# Altium PCB ALCT_MEZ_LX150T.PcbDoc (part 5 of 8) (continued)
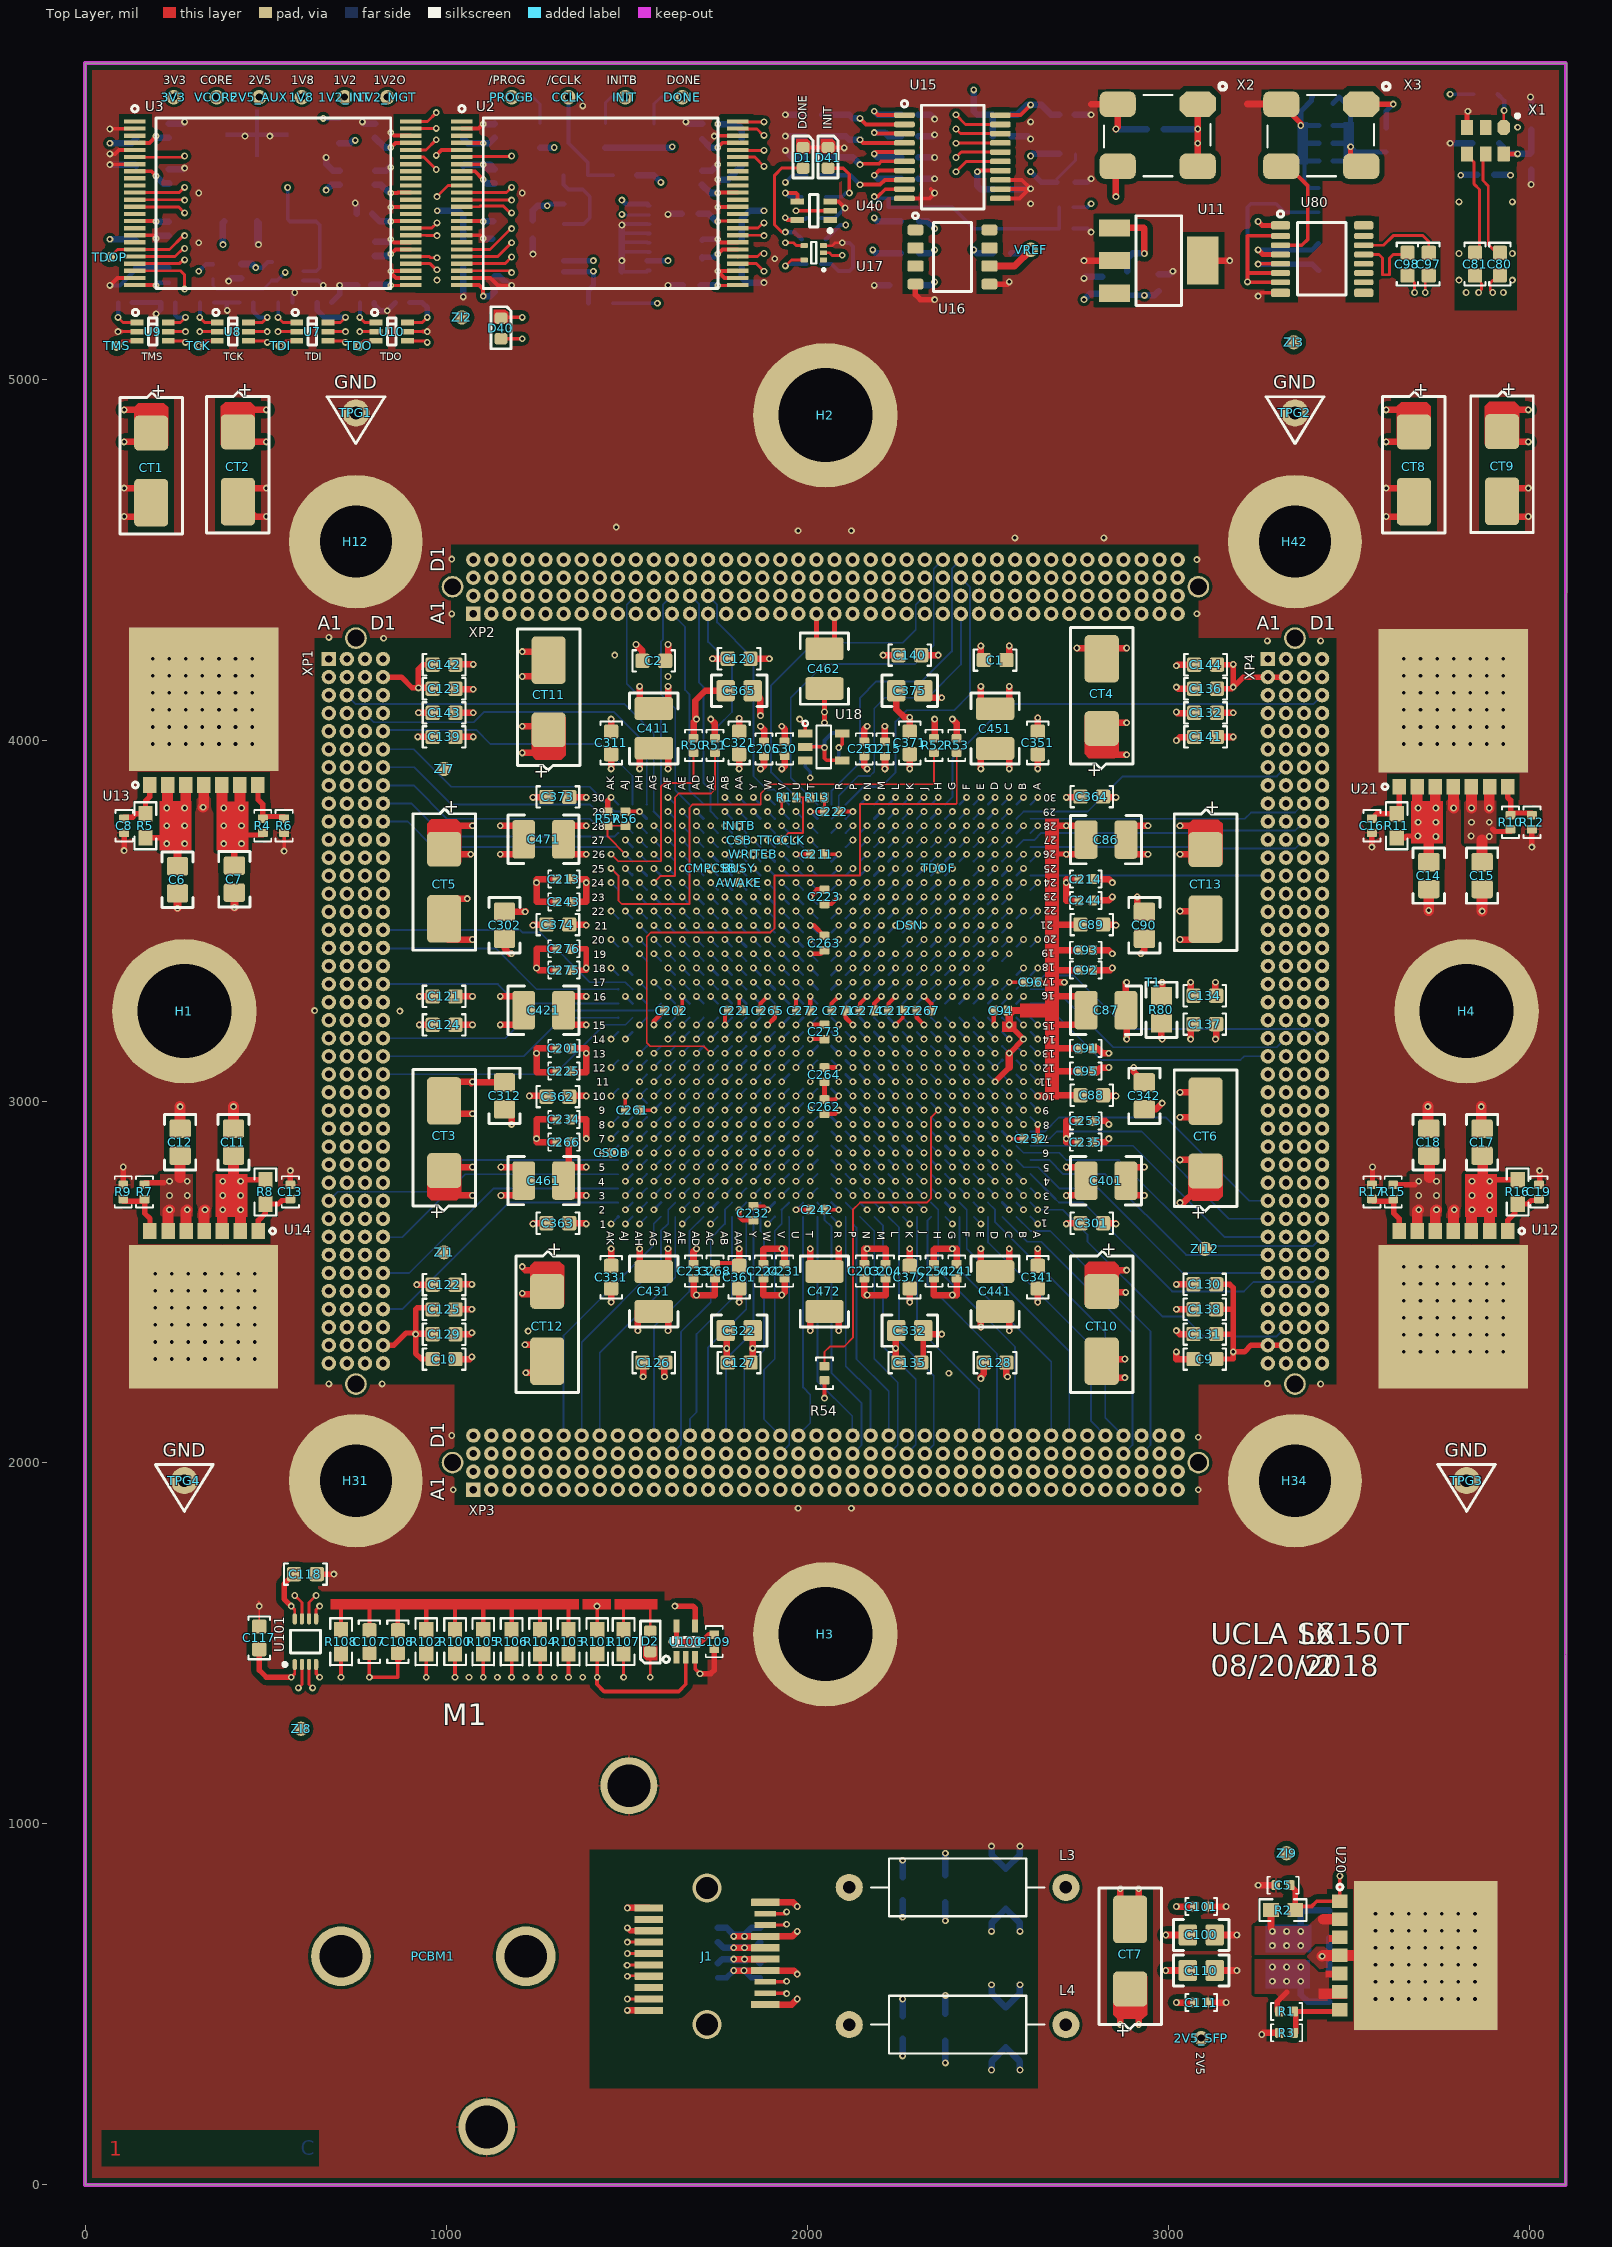
[diagram p0: Top Layer view]
## Nets (pads, with @x,y where several pads share a name; then routed paths per layer and width w, separated by ;. In a path a pad name is that pad's centre, name@x,y a point inside that pad or via, vN(x,y) a via of type N, cw(c..) or ccw(c..) an arc to the next point about the centre after c; other vN are vias at no path point) (continued)
  Bottom Layer w6: v1(1889.78,3526.97) U1.W22@1909.45,3507.29
XP1A_5: U1.Y22 XP1.A5 | length 1612
  Mid-Layer 5 w5: XP1.A5@675,4025.01 699.5,4049.51 1153.67,4049.51 1312.03,3891.15 1624.02,3891.15 1633.86,3881.3 1633.86,3715.94 1645.84,3703.96 1819.1,3703.96 1830.89,3692.18 1830.89,3546.48 v1(1850.39,3526.97)
  Bottom Layer w6: v1(1850.39,3526.97) U1.Y22@1870.08,3507.29
XP1A_6: U1.AG28 XP1.A6 | length 1036.5
  Mid-Layer 5 w5: XP1.A6@675,3973.82 XP1.A6@675.59,3974.41 ; XP1.A6@675,3975.01 699.5,3999.51 835.15,3999.51 845.77,3988.89 1135.04,3988.89 1341.04,3782.88 1555.13,3782.88 v1(1574.82,3763.19)
  Bottom Layer w6: v1(1574.82,3763.19) U1.AG28@1594.49,3743.51
XP1A_7: U1.AH27 XP1.A7 | length 993.2
  Mid-Layer 5 w5: XP1.A7@675,3923.82 XP1.A7@675.59,3924.41 ; XP1.A7@675,3925.01 700,3950.01 1104.51,3950.01 1311.01,3743.51 1515.75,3743.51 v1(1535.44,3723.82)
  Bottom Layer w6: v1(1535.44,3723.82) U1.AH27@1555.12,3704.14
XP1A_8: U1.AG26 XP1.A8 | length 1027.7
  Mid-Layer 5 w5: XP1.A8@675,3873.82 XP1.A8@675.59,3874.41 ; XP1.A8@675,3875.01 699.5,3899.51 1094,3899.51 1289.37,3704.14 1555.12,3704.14 v1(1574.81,3684.45)
  Bottom Layer w6: v1(1574.81,3684.45) U1.AG26@1594.49,3664.77
XP1A_9: U1.AA22 XP1.A9 | length 1371.1
  Mid-Layer 5 w5: XP1.A9@675,3823.82 XP1.A9@675.59,3824.41 ; XP1.A9@675,3825.01 700,3850.01 1090.37,3850.01 1275.79,3664.58 1476.37,3664.58 1779.74,3664.58 1791.52,3652.8 1791.52,3549.01 1811.03,3529.5 v1(1811.03,3526.97)
  Bottom Layer w6: v1(1811.03,3526.97) U1.AA22@1830.71,3507.29
XP1A_10: U1.W21 XP1.A10 | length 1438.6
  Mid-Layer 5 w5: XP1.A10@675,3773.82 XP1.A10@675.59,3774.41 ; XP1.A10@675,3775.01 700,3800.01 1077.85,3800.01 1252.6,3625.26 1722.44,3625.26 1722.5,3625.2 1740.37,3625.2 1752.16,3613.41 1752.16,3518.89 1763.95,3507.1 1870.28,3507.1 v1(1889.78,3487.6)
  Bottom Layer w6: v1(1889.78,3487.6) U1.W21@1909.45,3467.92
XP1A_11: U1.AC22 XP1.A11 | length 1167.2
  Mid-Layer 5 w5: XP1.A11@675,3725.01 700,3700.01 1024.79,3700.01 1177.96,3546.83 1709.9,3546.83 1729.76,3526.97 v1(1732.29,3526.97)
  Bottom Layer w6: v1(1732.29,3526.97) U1.AC22@1751.98,3507.28
XP1A_12: U1.AC21 XP1.A12 | length 1164.5
  Mid-Layer 5 w5: XP1.A12@675,3675.01 699.5,3650.51 952.71,3650.51 953.24,3651.04 1007.82,3651.04 1153.36,3505.51 1226.58,3505.51 1228.18,3507.1 1712.79,3507.1 v1(1732.29,3487.6)
  Bottom Layer w6: v1(1732.29,3487.6) U1.AC21@1751.98,3467.92
XP1A_13: U1.AB21 XP1.A13 | length 1200.1
  Mid-Layer 5 w5: XP1.A13@675,3625.01 700,3600.01 991.91,3600.01 1123.82,3468.09 1752.15,3468.09 v1(1771.66,3487.6) v1@1769.13,3487.6
  Bottom Layer w6: v1(1771.66,3487.6) U1.AB21@1791.34,3467.92
XP1A_14: U1.AC19 XP1.A14 | length 1154
  Mid-Layer 5 w5: XP1.A14@675,3575.01 700,3550.01 998.64,3550.01 1119.96,3428.69 1712.46,3428.69 v1(1732.3,3408.84)
  Bottom Layer w6: v1(1732.3,3408.84) U1.AC19@1751.98,3389.17
XP1A_15: U1.AB19 XP1.A15 | length 1188.8
  Mid-Layer 5 w5: XP1.A15@675,3525.01 700,3500.01 993.49,3500.01 1104.16,3389.34 1752.16,3389.34 v1(1771.67,3408.84)
  Bottom Layer w6: v1(1771.67,3408.84) U1.AB19@1791.34,3389.18
XP1A_16: U1.AB18 XP1.A16 | length 1184.4
  Mid-Layer 5 w5: XP1.A16@675,3475.01 700,3450.01 982.48,3450.01 1082.51,3349.98 1752.15,3349.98 v1(1771.66,3369.48)
  Bottom Layer w6: v1(1771.66,3369.48) U1.AB18@1791.34,3349.81
XP1A_17: U1.Y12 XP1.A17 | length 1481.2
  Mid-Layer 4 w5: XP1.A17@675,3425.01 700,3450.01 875.98,3450.01 1054.92,3271.07 1850.39,3271.07 1870.08,3251.38 1870.08,3182.67 1869.89,3182.49 1869.89,3113.4 v1(1850.39,3093.9)
  Bottom Layer w6: v1(1850.39,3093.9) U1.Y12@1870.08,3113.59
XP1A_18: U1.AA17 XP1.A18 | length 1198.8
  Mid-Layer 5 w5: XP1.A18@675,3375.01 700,3350.01 1023.42,3350.01 1062.99,3310.44 1791.35,3310.44 v1(1811.03,3330.12)
  Bottom Layer w6: v1(1811.03,3330.12) U1.AA17@1830.71,3310.44
XP1A_19: U1.Y17 XP1.A19 | length 1283.6
  Mid-Layer 7 w5: XP1.A19@675,3325.01 700,3300.01 875.98,3300.01 924.61,3251.38 1801.18,3251.38 1830.89,3281.1 1830.89,3310.62 v1(1850.39,3330.12)
  Bottom Layer w6: v1(1850.39,3330.12) U1.Y17@1870.08,3310.44
XP1A_22: U1.W14 XP1.A22 | length 1392.1
  Mid-Layer 5 w5: XP1.A22@675,3173.82 XP1.A22@675.59,3174.41 ; XP1.A22@675,3175.01 700,3200.01 885.61,3200.01 956.67,3271.07 1879.92,3271.07 1909.28,3241.71 1909.28,3192.56 1889.78,3173.06 v1(1889.78,3172.63)
  Bottom Layer w6: v1(1889.78,3172.63) U1.W14@1909.46,3192.32
XP1A_23: U1.Y15 XP1.A23 | length 1266.6
  Mid-Layer 5 w5: XP1.A23@675,3123.82 676.19,3125.01 XP1.A23@675,3125.01 700,3150.01 929.63,3150.01 1021.16,3241.54 1820.85,3241.54 v1(1850.39,3212)
  Bottom Layer w6: v1(1850.39,3212) U1.Y15@1870.08,3231.7
XP1A_24: U1.AC14 XP1.A24 | length 1142.6
  Mid-Layer 5 w5: XP1.A24@675,3073.82 XP1.A24@675.59,3074.41 ; XP1.A24@675,3075.01 700,3100.01 941.14,3100.01 1033.28,3192.14 1712.78,3192.14 v1(1732.29,3172.63)
  Bottom Layer w6: v1(1732.29,3172.63) U1.AC14@1751.98,3192.32
XP1A_25: U1.AB14 XP1.A25 | length 1186.5
  Mid-Layer 5 w5: XP1.A25@675,3023.82 XP1.A25@675.59,3024.41 ; XP1.A25@675,3025.01 700,3050.01 967.42,3050.01 1070.2,3152.78 1751.81,3152.78 v1(1771.66,3172.63)
  Bottom Layer w6: v1(1771.66,3172.63) U1.AB14@1791.34,3192.32
XP1A_26: U1.AC12 XP1.A26 | length 1151.4
  Mid-Layer 5 w5: XP1.A26@675,2973.82 XP1.A26@675.59,2974.41 ; XP1.A26@675,2975.01 700,3000.01 990.73,3000.01 1104.13,3113.41 1712.79,3113.41 v1(1732.29,3093.9)
  Bottom Layer w6: v1(1732.29,3093.9) U1.AC12@1751.98,3113.58
XP1A_27: U1.AB12 XP1.A27 | length 1195.4
  Mid-Layer 5 w5: XP1.A27@675,2923.82 XP1.A27@675.59,2924.41 ; XP1.A27@675,2925.01 700,2950.01 1029.31,2950.01 1153.47,3074.16 1740.42,3074.16 1740.55,3074.04 1751.8,3074.04 v1(1771.66,3093.9)
  Bottom Layer w6: v1(1771.66,3093.9) U1.AB12@1791.34,3113.59
XP1A_28: U1.AC11 XP1.A28 | length 1162.4
  Mid-Layer 5 w5: XP1.A28@675,2873.82 676.19,2875.01 XP1.A28@675,2875.01 700,2900.01 1065.95,2900.01 1200.79,3034.85 1712.61,3034.85 v1(1732.29,3054.53)
  Bottom Layer w6: v1(1732.29,3054.53) U1.AC11@1751.98,3074.22
XP1A_29: U1.AD10 XP1.A29 | length 1127.4
  Mid-Layer 5 w5: XP1.A29@675,2823.82 676.18,2825.01 XP1.A29@675,2825.01 700,2850.01 1067.11,2850.01 1212.4,2995.3 1673.08,2995.3 v1(1692.93,3015.15)
  Bottom Layer w6: v1(1692.93,3015.15) U1.AD10@1712.6,3034.85
XP1A_30: U1.AD8 XP1.A30 | length 1132.9
  Mid-Layer 5 w5: XP1.A30@675,2775.01 699.5,2750.51 856.81,2750.51 865.37,2759.07 1141.55,2759.07 1299.04,2916.56 1673.07,2916.56 v1(1692.93,2936.42)
  Bottom Layer w6: v1(1692.93,2936.42) U1.AD8@1712.6,2956.11
XP1A_31: U1.AK5 XP1.A31 | length 851
  Bottom Layer w5: XP1.A31@675,2723.82 676.18,2725.01 XP1.A31@675,2725.01 700,2750.01 955.31,2750.01 1043.31,2838 U1.AK5@1476.38,2838
XP1A_32: U1.AG7 XP1.A32 | length 1039.8
  Mid-Layer 5 w5: XP1.A32@675,2673.82 698.82,2650.01 1089.59,2650.01 1316.95,2877.37 1555.13,2877.37 v1(1574.81,2897.05)
  Bottom Layer w6: v1(1574.81,2897.05) U1.AG7@1594.49,2916.74
XP1A_33: U1.AF9 XP1.A33 | length 1133
  Mid-Layer 4 w5: XP1.A33@675,2625.01 700,2600.01 1054.04,2600.01 1410.14,2956.11 1594.5,2956.11 v1(1614.18,2975.78)
  Bottom Layer w6: v1(1614.18,2975.78) U1.AF9@1633.86,2995.48
XP1A_34: U1.AD7 XP1.A34 | length 1189.2
  Mid-Layer 5 w5: XP1.A34@675,2573.82 XP1.A34@675.59,2574.41 ; XP1.A34@675,2575.01 700,2600.01 1093.21,2600.01 1331.39,2838.18 1622.25,2838.18 1634.06,2849.99 1634.06,2865.76 1645.48,2877.18 1673.06,2877.18 v1(1692.93,2897.05)
  Bottom Layer w6: v1(1692.93,2897.05) U1.AD7@1712.6,2916.74
XP1A_35: U1.AF6 XP1.A35 | length 1125.5
  Mid-Layer 4 w5: XP1.A35@675,2525.01 700,2500.01 866.73,2500.01 885.83,2519.1 1127.95,2519.1 1446.85,2838 1594.49,2838 v1(1614.18,2857.68)
  Bottom Layer w6: v1(1614.18,2857.68) U1.AF6@1633.86,2877.37
XP1A_36: U1.AC9 XP1.A36 | length 1367
  Mid-Layer 5 w5: XP1.A36@675,2473.82 676.19,2475.01 XP1.A36@675,2475.01 700,2500.01 852.95,2500.01 865.96,2513.01 1064.76,2513.01 1350.38,2798.63 1661.46,2798.63 1673.06,2810.22 1673.06,2826.04 1684.84,2837.81 1700.63,2837.81 1712.43,2849.61 1712.43,2955.92 v1(1732.29,2975.78)
  Bottom Layer w6: v1(1732.29,2975.78) U1.AC9@1751.98,2995.47
XP1A_37: U1.AG4 XP1.A37 | length 1075.4
  Mid-Layer 4 w5: XP1.A37@675,2423.82 XP1.A37@675,2425.01 700,2450.01 1149.39,2450.01 1458.64,2759.26 1555.13,2759.26 v1(1574.81,2778.93)
  Bottom Layer w6: v1(1574.81,2778.93) U1.AG4@1594.49,2798.62
XP1A_38: U1.AD3 XP1.A38 | length 1196.8
  Mid-Layer 5 w5: XP1.A38@675,2375.01 699.5,2399.51 1098.89,2399.51 1419.27,2719.89 1673.23,2719.89 v1(1692.91,2739.57)
  Bottom Layer w6: v1(1692.91,2739.57) U1.AD3@1712.6,2759.26
XP1B_3: U1.AG29 XP1.B3 | length 1138.1
  Bottom Layer w5: XP1.B3@725,4125.01 750,4100.01 1493.9,4100.01 1574.8,4019.1 1574.8,3802.56
  Bottom Layer w6: 1574.8,3802.56 U1.AG29@1594.49,3782.88
XP1B_4: U1.U25 XP1.B4 | length 1622.4
  Mid-Layer 2 w5: XP1.B4@725,4075.01 750.5,4049.51 1155.43,4049.51 1215.55,3989.39 1919.48,3989.39 1948.66,3960.2 1948.66,3664.92 v1(1968.51,3645.07)
  Bottom Layer w6: v1(1968.51,3645.07) U1.U25@1988.19,3625.4
XP1B_5: U1.AH26 XP1.B5 | length 1000.5
  Mid-Layer 1 w5: XP1.B5@725,4023.82 751.19,4050.01 1073.41,4050.01 1419.27,3704.14 1515.75,3704.14 v1(1535.44,3684.45)
  Bottom Layer w6: v1(1535.44,3684.45) U1.AH26@1555.12,3664.77
XP1B_6: U1.V26 XP1.B6 | length 1495.2
  Mid-Layer 2 w5: XP1.B6@725,3973.82 XP1.B6@725.59,3974.41 ; XP1.B6@725,3975.01 750,4000.01 864.91,4000.01 865.23,4000.32 925.38,3940.17 1880.11,3940.17 1909.29,3910.99 1909.29,3704.3 v1(1929.14,3684.45)
  Bottom Layer w6: v1(1929.14,3684.45) U1.V26@1948.82,3664.77
XP1B_7: U1.W25 XP1.B7 | length 1457
  Mid-Layer 2 w5: XP1.B7@725,3925.01 750,3950.01 874.98,3950.01 924,3900.99 1850.39,3900.99 1869.91,3881.47 1869.91,3664.94 v1(1889.78,3645.07)
  Mid-Layer 2 w5.88: XP1.B7@725,3923.82 XP1.B7@725.59,3924.41
  Bottom Layer w6: v1(1889.78,3645.07) U1.W25@1909.45,3625.4
XP1B_8: U1.Y25 XP1.B8 | length 1379.6
  Mid-Layer 2 w5: XP1.B8@725,3873.82 XP1.B8@725.59,3874.41 ; XP1.B8@725,3875.01 750,3900.01 873.3,3900.01 911.69,3861.62 1820.87,3861.62 1830.54,3851.94 1830.54,3664.92 v1(1850.39,3645.07)
  Bottom Layer w6: v1(1850.39,3645.07) U1.Y25@1870.08,3625.4
XP1B_9: U1.W20 XP1.B9 | length 1514.9
  Mid-Layer 2 w5: XP1.B9@725,3825.01 749.5,3800.51 1485.82,3800.51 1503.63,3782.69 1781.86,3782.69 1791.52,3773.04 1791.52,3595.69 1801.01,3586.2 1858.1,3586.2 1869.89,3574.41 1869.89,3468.08 v1(1889.78,3448.19)
  Bottom Layer w6: v1(1889.78,3448.19) U1.W20@1909.46,3428.52
XP1B_10: U1.AA21 XP1.B10 | length 1240.9
  Mid-Layer 7 w5: XP1.B10@725,3775.01 750,3750.01 948.23,3750.01 1200.79,3497.45 1222.42,3497.45 1232.08,3507.1 1791.52,3507.1 v1(1811.03,3487.6)
  Bottom Layer w6: v1(1811.03,3487.6) U1.AA21@1830.71,3467.92
XP1B_11: U1.AB23 XP1.B11 | length 1247.1
  Mid-Layer 2 w5: XP1.B11@725,3723.82 XP1.B11@725.59,3724.41 ; XP1.B11@725,3725.01 750,3750.01 892.13,3750.01 898.62,3743.51 1740.18,3743.51 1752.15,3731.54 1752.15,3585.84 v1(1771.66,3566.33)
  Bottom Layer w6: v1(1771.66,3566.33) U1.AB23@1791.34,3546.66
XP1B_12: U1.AC24 XP1.B12 | length 1127.9
  Mid-Layer 2 w5: XP1.B12@725,3673.82 XP1.B12@725.59,3674.41 ; XP1.B12@725,3675.01 750,3700.01 895.67,3700.01 899.62,3703.95 1701,3703.95 1712.43,3692.53 1712.43,3625.57 v1(1732.29,3605.7)
  Bottom Layer w6: v1(1732.29,3605.7) U1.AC24@1751.98,3586.02
XP1B_13: U1.Y21 XP1.B13 | length 1226.5
  Mid-Layer 7 w5: XP1.B13@725,3625.01 750,3600.01 989.96,3600.01 1122.05,3467.92 1830.71,3467.92 v1(1850.39,3487.6)
  Bottom Layer w6: v1(1850.39,3487.6) U1.Y21@1870.08,3467.92
XP1B_14: U1.AD24 XP1.B14 | length 1077.3
  Mid-Layer 2 w5: XP1.B14@725,3573.82 XP1.B14@725.59,3574.41 ; XP1.B14@725,3575.01 750,3600.01 912.11,3600.01 977.05,3664.95 1665.66,3664.95 1673.23,3657.39 1673.23,3635.41 1673.06,3635.24 1673.06,3625.57 v1(1692.93,3605.7)
  Bottom Layer w6: v1(1692.93,3605.7) U1.AD24@1712.61,3586.02
XP1B_15: U1.AE24 XP1.B15 | length 1006.8
  Mid-Layer 2 w5: XP1.B15@725,3523.82 XP1.B15@725.59,3524.41 ; XP1.B15@725,3525.01 750,3550.01 916.24,3550.01 991.46,3625.22 1631.51,3625.22 1651.03,3605.7 v1(1653.56,3605.7)
  Bottom Layer w6: v1(1653.56,3605.7) U1.AE24@1673.24,3586.02
XP1B_16: U1.AC23 XP1.B16 | length 1090
  Mid-Layer 2 w5: XP1.B16@725,3473.82 XP1.B16@725.59,3474.41 ; XP1.B16@725,3475.01 750,3500.01 930.22,3500.01 1016.05,3585.84 1712.79,3585.84 v1(1732.29,3566.33)
  Bottom Layer w6: v1(1732.29,3566.33) U1.AC23@1751.98,3546.65
XP1B_17: U1.AD22 XP1.B17 | length 1074.5
  Mid-Layer 2 w5: XP1.B17@725,3425.01 749.5,3400.51 889.77,3400.51 1031.19,3541.92 1066.15,3541.92 1070.7,3546.47 1673.42,3546.47 v1(1692.93,3526.97)
  Bottom Layer w6: v1(1692.93,3526.97) U1.AD22@1712.6,3507.29
XP1B_18: U1.Y20 XP1.B18 | length 1268.8
  Mid-Layer 2 w5: XP1.B18@725,3375.01 749.5,3350.51 893.91,3350.51 1048.91,3505.51 1226.58,3505.51 1228.18,3507.1 1819.1,3507.1 1830.53,3495.68 1830.53,3468.07 v1(1850.4,3448.19)
  Bottom Layer w6: v1(1850.4,3448.19) U1.Y20@1870.08,3428.52
XP1B_19: U1.AD20 XP1.B19 | length 1083.3
  Mid-Layer 2 w5: XP1.B19@725,3325.01 749.5,3300.51 897.53,3300.51 1064.77,3467.74 1673.39,3467.74 v1(1692.93,3448.19)
  Bottom Layer w6: v1(1692.93,3448.19) U1.AD20@1712.61,3428.52
XP1B_22: U1.W19 XP1.B22 | length 1305.6
  Mid-Layer 2 w5: XP1.B22@725,3175.01 750,3200.01 885.61,3200.01 1113.97,3428.36 1870.26,3428.36 v1(1889.78,3408.84)
  Bottom Layer w6: v1(1889.78,3408.84) U1.W19@1909.45,3389.18
XP1B_23: U1.AD19 XP1.B23 | length 1134
  Mid-Layer 2 w5: XP1.B23@725,3125.01 750,3100.01 854.51,3100.01 1143.51,3389 1673.09,3389 v1(1692.93,3408.84)
  Bottom Layer w6: v1(1692.93,3408.84) U1.AD19@1712.6,3389.18
XP1B_24: U1.AD18 XP1.B24 | length 1138.5
  Mid-Layer 2 w5: XP1.B24@725,3075.01 750,3050.01 881.3,3050.01 1130.11,3298.81 1180.9,3349.63 1673.07,3349.63 v1(1692.93,3369.48)
  Bottom Layer w6: v1(1692.93,3369.48) U1.AD18@1712.6,3349.81
XP1B_25: U1.AB17 XP1.B25 | length 1221.6
  Mid-Layer 2 w5: XP1.B25@725,3025.01 750,3000.01 905.12,3000.01 1215.37,3310.26 1751.8,3310.26 v1(1771.66,3330.12)
  Bottom Layer w6: v1(1771.66,3330.12) U1.AB17@1791.34,3310.44
XP1B_26: U1.AF13 XP1.B26 | length 982.6
  Mid-Layer 4 w5: XP1.B26@725,2975.01 750,3000.01 939.57,3000.01 1053.15,3113.59 1594.5,3113.59 v1(1614.18,3133.27)
  Bottom Layer w6: v1(1614.18,3133.27) U1.AF13@1633.86,3152.96
XP1B_27: U1.Y16 XP1.B27 | length 1325
  Mid-Layer 2 w5: XP1.B27@725,2925.01 749.5,2900.51 876.98,2900.51 1247.54,3271.07 1830.71,3271.07 v1(1850.39,3290.75)
  Bottom Layer w6: v1(1850.39,3290.75) U1.Y16@1870.08,3271.07
XP1B_28: U1.AA15 XP1.B28 | length 1394.7
  Mid-Layer 2 w5: XP1.B28@725,2875.01 750,2850.01 1025.79,2850.01 1092.33,2916.55 1092.33,3066.65 1277.06,3251.37 1771.65,3251.37 v1(1811.03,3212)
  Bottom Layer w6: v1(1811.03,3212) U1.AA15@1830.71,3231.7
XP1B_29: U1.AC15 XP1.B29 | length 1319.6
  Mid-Layer 2 w5: XP1.B29@725,2825.01 725,2823.83 748.82,2800.01 1026.95,2800.01 1126.97,2900.02 1126.97,3047.66 1310.94,3231.63 1712.66,3231.63 v1(1732.29,3212)
  Bottom Layer w6: v1(1732.29,3212) U1.AC15@1751.98,3231.68
XP1B_30: U1.AD15 XP1.B30 | length 1292.7
  Mid-Layer 2 w5: XP1.B30@725,2775.01 725,2773.83 748.82,2750.01 1055.69,2750.01 1161.42,2855.73 1161.42,3017.11 1336.45,3192.14 1673.07,3192.14 v1(1692.93,3212)
  Bottom Layer w6: v1(1692.93,3212) U1.AD15@1712.6,3231.7
XP1B_31: U1.AD14 XP1.B31 | length 1311.7
  Mid-Layer 2 w5: XP1.B31@725,2725.01 750,2700.01 1075.1,2700.01 1203.25,2828.16 1203.25,3015.67 1340.36,3152.78 1673.07,3152.78 v1(1692.93,3172.63)
  Bottom Layer w6: v1(1692.93,3172.63) U1.AD14@1712.61,3192.32
XP1B_32: U1.Y13 XP1.B32 | length 1472.2
  Mid-Layer 2 w5: XP1.B32@725,2675.01 750,2650.01 1089.59,2650.01 1269.5,2829.92 1269.5,3014.98 1367.93,3113.41 1830.53,3113.41 v1(1850.39,3133.27)
  Bottom Layer w6: v1(1850.39,3133.27) U1.Y13@1870.08,3152.96
XP1B_33: U1.AD12 XP1.B33 | length 1326
  Mid-Layer 2 w5: XP1.B33@725,2625.01 750,2600.01 1093.21,2600.01 1301.67,2808.47 1301.67,3005.32 1370.39,3074.04 1673.07,3074.04 v1(1692.93,3093.9)
  Bottom Layer w6: v1(1692.93,3093.9) U1.AD12@1712.6,3113.59
XP1B_34: U1.AD11 XP1.B34 | length 1336.2
  Mid-Layer 2 w5: XP1.B34@725,2575.01 750,2550.01 1101.75,2550.01 1331.2,2779.45 1331.2,2986.15 1379.72,3034.66 1395.87,3034.66 1673.06,3034.66 v1(1692.93,3054.53)
  Bottom Layer w6: v1(1692.93,3054.53) U1.AD11@1712.6,3074.22
XP1B_35: U1.W9 XP1.B35 | length 1563.6
  Mid-Layer 2 w5: XP1.B35@725,2525.01 725,2523.83 748.82,2500.01 848.03,2500.01 861.22,2513.19 1153.53,2513.19 1368.3,2727.96 1368.3,2978.44 1385.16,2995.3 1870.26,2995.3 v1(1889.78,2975.78)
  Bottom Layer w6: v1(1889.78,2975.78) U1.W9@1909.45,2995.48
XP1B_36: U1.AE9 XP1.B36 | length 1316
  Mid-Layer 2 w5: XP1.B36@725,2475.01 750,2450.01 1145.49,2450.01 1368.3,2672.81 1368.3,2673.32 1409.94,2714.97 1409.94,2938.88 1426.98,2955.92 1633.7,2955.92 v1(1653.56,2975.78)
  Bottom Layer w6: v1(1653.56,2975.78) U1.AE9@1673.23,2995.48
XP1B_37: U1.AE8 XP1.B37 | length 1336.6
  Mid-Layer 2 w5: XP1.B37@725,2425.01 750,2400.01 1184.07,2400.01 1434.55,2650.48 1434.55,2902.48 1448.62,2916.56 1633.7,2916.56 v1(1653.56,2936.42)
  Bottom Layer w6: v1(1653.56,2936.42) U1.AE8@1673.23,2956.11
XP1B_38: U1.AE7 XP1.B38 | length 1337.8
  Mid-Layer 2 w5: XP1.B38@725,2375.01 750,2350.01 875.98,2350.01 899.8,2326.19 1149.9,2326.19 1476.38,2652.66 1476.38,2865.57 1487.99,2877.19 1633.7,2877.19 v1(1653.56,2897.05)
  Bottom Layer w6: v1(1653.56,2897.05) U1.AE7@1673.23,2916.74
XP1C_3: U1.AH24 XP1.C3 | length 1067.1
  Mid-Layer 7 w5: XP1.C3@775,4120.08 XP1.C3@775,4125.01 800.5,4099.51 858.59,4099.51 954.72,4003.37 954.72,3930.5 1299.02,3586.2 1515.94,3586.2 v1(1535.44,3605.7)
  Bottom Layer w6: v1(1535.44,3605.7) U1.AH24@1555.13,3586.02
XP1C_4: U1.AH30 XP1.C4 | length 1004.4
  Bottom Layer w5: XP1.C4@775,4073.82 798,4050.82 800,4050.82 800.82,4050.01 1076.2,4050.01 1104.16,4077.97 1464.77,4077.97 1555.12,3987.62 U1.AH30@1555.12,3822.25
XP1C_5: U1.AG25 XP1.C5 | length 984.5
  Mid-Layer 1 w5: XP1.C5@775,4023.82 798.82,4000.01 875.98,4000.01 895.67,3980.32 1062.4,3980.32 1378.14,3664.58 1555.29,3664.58 v1(1574.81,3645.07)
  Bottom Layer w6: v1(1574.81,3645.07) U1.AG25@1594.49,3625.4
XP1C_6: U1.AF25 XP1.C6 | length 1014.5
  Mid-Layer 1 w5: XP1.C6@775,3973.82 798.82,3950.01 1033.66,3950.01 1358.1,3625.57 1603.97,3625.57 1613.46,3635.06
  Bottom Layer w6: v1(1614.18,3645.07) U1.AF25@1633.86,3625.4
XP1C_7: U1.AE19 XP1.C7 | length 1277
  Mid-Layer 4 w5: XP1.C7@775,3925.01 800,3950.01 929.33,3950.01 1018.53,3860.8 1018.53,3628.54 1218.52,3428.55 1633.86,3428.55 v1(1653.57,3408.84)
  Bottom Layer w6: v1(1653.57,3408.84) U1.AE19@1673.23,3389.18
XP1C_8: U1.AF24 XP1.C8 | length 995.4
  Mid-Layer 1 w5: XP1.C8@775,3873.82 798.82,3850.01 1035.22,3850.01 1299.02,3586.2 1592.29,3586.2 v1@1614.29,3608.2
  Bottom Layer w6: v1(1614.18,3605.7) U1.AF24@1633.86,3586.02
XP1C_9: U1.AF23 XP1.C9 | length 991
  Mid-Layer 1 w5: XP1.C9@775,3823.82 798.82,3800.01 986.81,3800.01 1239.98,3546.83 1592.29,3546.83 v1@1614.29,3568.83
  Bottom Layer w6: v1(1614.18,3566.33) U1.AF23@1633.86,3546.66
XP1C_10: U1.AE23 XP1.C10 | length 992.8
  Mid-Layer 5 w5: XP1.C10@775,3775.01 800,3750.01 1054.03,3750.01 1218.01,3586.03 1633.87,3586.03 v1(1653.56,3566.33)
  Bottom Layer w6: v1(1653.56,3566.33) U1.AE23@1673.23,3546.66
XP1C_11: U1.AE18 XP1.C11 | length 1053.7
  Mid-Layer 4 w5: XP1.C11@775,3725.01 800,3700.01 856.36,3700.01 1167.02,3389.34 1633.7,3389.34 v1(1653.56,3369.48)
  Bottom Layer w6: v1(1653.56,3369.48) U1.AE18@1673.23,3349.81
XP1C_12: U1.AE20 XP1.C12 | length 1016
  Mid-Layer 1 w5: XP1.C12@775,3673.82 798.82,3650.01 910.43,3650.01 1131.75,3428.69 1634.07,3428.69 v1(1653.57,3448.19)
  Bottom Layer w6: v1(1653.57,3448.19) U1.AE20@1673.24,3428.52
XP1C_13: U1.AD17 XP1.C13 | length 1088.6
  Mid-Layer 4 w5: XP1.C13@775,3625.01 800,3650.01 839.57,3650.01 1139.59,3349.98 1673.06,3349.98 v1(1692.93,3330.12)
  Bottom Layer w6: v1(1692.93,3330.12) U1.AD17@1712.6,3310.44
XP1C_14: U1.AF17 XP1.C14 | length 968
  Mid-Layer 1 w5: XP1.C14@775,3573.82 798.82,3550.01 892.32,3550.01 1092.71,3349.62 1594.68,3349.62 v1(1614.18,3330.12)
  Bottom Layer w6: v1(1614.18,3330.12) U1.AF17@1633.86,3310.44
XP1C_15: U1.AF16 XP1.C15 | length 980.1
  Mid-Layer 1 w5: XP1.C15@775,3523.82 798.82,3500.01 836.71,3500.01 1053.33,3283.38 1053.33,3282.68 1064.76,3271.25 1594.68,3271.25 v1(1614.18,3290.75)
  Bottom Layer w6: v1(1614.18,3290.75) U1.AF16@1633.86,3271.07
XP1C_16: U1.AD16 XP1.C16 | length 1071.5
  Mid-Layer 1 w5: XP1.C16@775,3473.82 798.82,3450.01 834.84,3450.01 1033.46,3251.38 1683.07,3251.38 1692.93,3261.24 v1(1692.93,3290.75)
  Bottom Layer w6: v1(1692.93,3290.75) U1.AD16@1712.6,3271.07
XP1C_17: U1.AC16 XP1.C17 | length 1112.2
  Mid-Layer 1 w5: XP1.C17@775,3423.82 798.82,3400.01 845.47,3400.01 1013.78,3231.7 1712.6,3231.7 1732.29,3251.39 v1(1732.29,3290.75)
  Bottom Layer w6: v1(1732.29,3290.75) U1.AC16@1751.98,3271.07
XP1C_18: U1.AF15 XP1.C18 | length 950.7
  Mid-Layer 1 w5: XP1.C18@775,3375.01 800,3350.01 836.42,3350.01 993.92,3192.5 1594.68,3192.5 v1(1614.18,3212)
  Bottom Layer w6: v1(1614.18,3212) U1.AF15@1633.86,3231.7
XP1C_19: U1.AE15 XP1.C19 | length 975.3
  Mid-Layer 4 w5: XP1.C19@775,3325.01 775,3327.56 797.24,3349.81 935.04,3349.81 1043.31,3241.54 1624.02,3241.54 v1(1653.56,3212)
  Bottom Layer w6: v1(1653.56,3212) U1.AE15@1673.23,3231.7
XP1C_22: U1.Y14 XP1.C22 | length 1124.9
  Mid-Layer 7 w5: XP1.C22@775,3175.01 800,3200.01 881.4,3200.01 889.08,3192.33 1830.7,3192.33 v1(1850.39,3172.63)
  Bottom Layer w6: v1(1850.39,3172.63) U1.Y14@1870.08,3192.32
XP1C_23: U1.AA14 XP1.C23 | length 1099.9
  Mid-Layer 4 w5: XP1.C23@775,3125.01 800,3150.01 902.56,3150.01 944.88,3192.33 1791.34,3192.33 v1(1811.02,3172.64)
  Bottom Layer w6: v1(1811.02,3172.64) U1.AA14@1830.71,3192.33
XP1C_24: U1.AE13 XP1.C24 | length 947.7
  Mid-Layer 1 w5: XP1.C24@775,3073.82 XP1.C24@775.59,3074.41 ; XP1.C24@775,3075.01 800,3100.01 852.56,3100.01 905.51,3152.96 1633.87,3152.96 v1(1653.56,3133.27)
  Bottom Layer w6: v1(1653.56,3133.27) U1.AE13@1673.23,3152.96
XP1C_25: U1.AE12 XP1.C25 | length 951.1
  Mid-Layer 1 w5: XP1.C25@775,3025.01 800.5,3050.51 852.27,3050.51 915.17,3113.4 1634.06,3113.4 v1(1653.56,3093.9)
  Bottom Layer w6: v1(1653.56,3093.9) U1.AE12@1673.23,3113.59
XP1C_26: U1.W11 XP1.C26 | length 1191.7
  Mid-Layer 1 w5: XP1.C26@775,2975.01 800.5,3000.51 856.41,3000.51 929.93,3074.03 1870.28,3074.03 v1(1889.78,3054.53)
  Bottom Layer w6: v1(1889.78,3054.53) U1.W11@1909.45,3074.22
XP1C_27: U1.AB11 XP1.C27 | length 1118.5
  Mid-Layer 4 w5: XP1.C27@775,2925.01 775,2919.3 794.29,2900.01 967.52,2900.01 1141.73,3074.22 1751.97,3074.22 v1(1771.66,3054.53)
  Bottom Layer w6: v1(1771.66,3054.53) U1.AB11@1791.34,3074.22
XP1C_28: U1.AG8 XP1.C28 | length 887.8
  Mid-Layer 1 w5: XP1.C28@775,2875.01 799.5,2850.51 836.61,2850.51 854.04,2833.08 925.2,2833.08 1005.7,2913.58 1230.32,2913.58 1235.15,2918.42 1556.81,2918.42 v1(1574.81,2936.42)
  Bottom Layer w6: v1(1574.81,2936.42) U1.AG8@1594.49,2956.11
XP1C_29: U1.AF7 XP1.C29 | length 917.6
  Mid-Layer 1 w5: XP1.C29@775,2825.01 800,2800.01 956.1,2800.01 1033.65,2877.55 1594.68,2877.55 v1(1614.18,2897.05)
  Bottom Layer w6: v1(1614.18,2897.05) U1.AF7@1633.86,2916.74
XP1C_30: U1.AG6 XP1.C30 | length 882.6
  Mid-Layer 1 w5: XP1.C30@775,2775.01 800,2750.01 955.31,2750.01 1043.49,2838.18 1555.31,2838.18 v1(1574.81,2857.68)
  Bottom Layer w6: v1(1574.81,2857.68) U1.AG6@1594.49,2877.37
XP1C_31: U1.AG5 XP1.C31 | length 919.3
  Mid-Layer 1 w5: XP1.C31@775,2725.01 799.5,2700.51 834.15,2700.51 854.14,2680.52 986.2,2680.52 1065.13,2759.44 1543.51,2759.44 1554.93,2770.87 1554.93,2798.42 v1(1574.81,2818.3)
  Bottom Layer w6: v1(1574.81,2818.3) U1.AG5@1594.49,2838
XP1C_32: U1.AH3 XP1.C32 | length 835.7
  Mid-Layer 1 w5: XP1.C32@775,2675.01 800,2650.01 1022.64,2650.01 1092.52,2719.89 1515.76,2719.89 v1(1535.44,2739.57)
  Bottom Layer w6: v1(1535.44,2739.57) U1.AH3@1555.12,2759.26
XP1C_33: U1.AH2 XP1.C33 | length 840.1
  Mid-Layer 1 w5: XP1.C33@775,2625.01 800,2600.01 1021.85,2600.01 1102.36,2680.52 1515.76,2680.52 v1(1535.43,2700.2) v1@1536.12,2700.87
  Bottom Layer w6: v1@1536.12,2700.87 U1.AH2@1555.12,2719.89
XP1C_34: U1.AF4 XP1.C34 | length 987.9
  Mid-Layer 7 w5: XP1.C34@775,2575.01 799.5,2550.51 1159.36,2550.51 1328.92,2720.07 1582.89,2720.07 1594.31,2731.49 1594.31,2759.07 v1(1614.18,2778.93)
  Bottom Layer w6: v1(1614.18,2778.93) U1.AF4@1633.86,2798.62
XP1C_35: U1.AH6 XP1.C35 | length 942.4
  Mid-Layer 4 w5: XP1.C35@775,2525.01 800,2550.01 1080.12,2550.01 1407.48,2877.37 1515.76,2877.37 v1(1535.44,2857.68)
  Bottom Layer w6: v1(1535.44,2857.68) U1.AH6@1555.12,2877.37
XP1C_36: U1.AE4 XP1.C36 | length 1117.8
  Mid-Layer 1 w5: XP1.C36@775,2475.01 799.5,2499.51 852.45,2499.51 905.51,2552.56 1033.46,2552.56 1122.05,2641.15 1555.12,2641.15 1594.49,2680.52 1594.49,2798.63 1633.87,2798.63 v1(1653.56,2778.93)
  Bottom Layer w6: v1(1653.56,2778.93) U1.AE4@1673.24,2798.62
XP1C_37: U1.AJ2 XP1.C37 | length 862.9
  Mid-Layer 7 w5: XP1.C37@775,2425.01 800.5,2450.51 903.86,2450.51 966.37,2513.01 1212.4,2513.01 1399.59,2700.2 v1(1496.06,2700.2)
  Bottom Layer w6: v1(1496.06,2700.2) U1.AJ2@1515.75,2719.89
XP1C_38: U1.AH1 XP1.C38 | length 906.7
  Mid-Layer 4 w5: XP1.C38@775,2375.01 800,2400.01 1186.02,2400.01 1417.32,2631.3 1505.91,2631.3 v1(1535.43,2660.83)
  Bottom Layer w5: v1(1535.43,2660.83) U1.AH1@1555.12,2680.52
XP1D_3: U1.AE25 XP1.D3 | length 1171.1
  Mid-Layer 7 w5: XP1.D3@825,4125.01 883.47,4125.01 885.83,4122.65 1067.71,4122.65 1122.05,4068.31 1122.05,3871.46 1329.43,3664.08 1330.11,3664.77 1633.85,3664.77 v1(1653.56,3645.07)
  Bottom Layer w6: v1(1653.56,3645.07) U1.AE25@1673.23,3625.4
XP1D_4: U1.Y24 XP1.D4 | length 1480.4
  Mid-Layer 5 w5: XP1.D4@825,4075.01 845.68,4095.69 1200.48,4095.69 1306.59,3989.57 1633.86,3989.57 1673.23,3950.2 1673.23,3755.32 1685.04,3743.51 1858.28,3743.51 1869.9,3731.89 1869.9,3627.72 1850.39,3608.21 v1(1850.39,3605.7)
  Bottom Layer w6: v1(1850.39,3605.7) U1.Y24@1870.06,3586.03
XP1D_5: U1.AJ30 XP1.D5 | length 826.2
  Bottom Layer w5: XP1.D5@825,4025.01 825,4028.76 1082.88,4028.76 1122.07,3989.57 1427.17,3989.57 1515.76,3900.98 U1.AJ30@1515.75,3822.25
XP1D_6: U1.AJ29 XP1.D6 | length 770.3
  Bottom Layer w5: XP1.D6@825,3975.01 910.24,3975.01 1013.78,3871.46 1397.64,3871.46 1466.54,3802.56 1496.06,3802.56 U1.AJ29@1515.75,3782.88
XP1D_7: U1.AK29 XP1.D7 | length 710.3
  Bottom Layer w5: XP1.D7@825,3925.01 911.02,3925.01 1013.78,3822.25 1397.64,3822.25 1437.01,3782.88
  Bottom Layer w6: 1437.01,3782.88 U1.AK29@1476.38,3782.88
XP1D_8: U1.AJ28 XP1.D8 | length 745.2
  Bottom Layer w5: XP1.D8@825,3875.01 909.84,3875.01 1001.97,3782.88 1397.64,3782.88 1417.32,3763.19 1496.06,3763.19 U1.AJ28@1515.75,3743.51
XP1D_9: U1.AK28 XP1.D9 | length 693.3
  Bottom Layer w5: XP1.D9@825,3825.01 902.76,3825.01 994.09,3733.67 1466.54,3733.67 U1.AK28@1476.38,3743.51
XP1D_10: U1.AK27 XP1.D10 | length 680.7
  Bottom Layer w5: XP1.D10@825,3775.01 893.7,3775.01 964.57,3704.14 U1.AK27@1476.38,3704.14
XP1D_11: U1.AF21 XP1.D11 | length 916.2
  Mid-Layer 1 w5: XP1.D11@825,3723.82 986.2,3723.82 1204.52,3505.51 1226.58,3505.51 1228.18,3507.1 1593.56,3507.1 1613.06,3487.6 v1(1614.18,3487.6)
  Bottom Layer w6: v1(1614.18,3487.6) U1.AF21@1633.86,3467.92
XP1D_12: U1.AE21 XP1.D12 | length 950.3
  Mid-Layer 1 w5: XP1.D12@825,3675.01 972.07,3675.01 1179.1,3467.97 1633.93,3467.97 v1(1653.56,3487.6)
  Bottom Layer w6: v1(1653.56,3487.6) U1.AE21@1673.23,3467.92
XP1D_13: U1.AF19 XP1.D13 | length 922.2
  Mid-Layer 1 w5: XP1.D13@825,3623.82 867.72,3623.82 1102.2,3389.34 1594.68,3389.34 v1(1614.18,3408.84)
  Bottom Layer w6: v1(1614.18,3408.84) U1.AF19@1633.86,3389.18
XP1D_14: U1.AB16 XP1.D14 | length 1092.2
  Mid-Layer 4 w5: XP1.D14@825,3575.01 1089.57,3310.44 1623.83,3310.44 1624.02,3310.25 1752.16,3310.25 v1(1771.66,3290.75)
  Bottom Layer w6: v1(1771.66,3290.75) U1.AB16@1791.34,3271.07
XP1D_15: U1.AE17 XP1.D15 | length 953.4
  Mid-Layer 1 w5: XP1.D15@825,3525.01 868.11,3525.01 1082.63,3310.49 1633.93,3310.49 v1(1653.56,3330.12)
  Bottom Layer w6: v1(1653.56,3330.12) U1.AE17@1673.23,3310.44
XP1D_16: U1.AJ17 XP1.D16 | length 758.9
  Bottom Layer w5: XP1.D16@825,3475.01 1203.54,3475.01 1210.44,3468.1 1259.66,3468.1 1397.64,3330.12 1496.06,3330.12 U1.AJ17@1515.75,3310.44
XP1D_17: U1.AK17 XP1.D17 | length 698.4
  Bottom Layer w5: XP1.D17@825,3423.82 1136.61,3423.82 1250,3310.44 U1.AK17@1476.38,3310.44